# KiCad board TRX055.01.01.PB.00.00.kicad_pcb (continued)
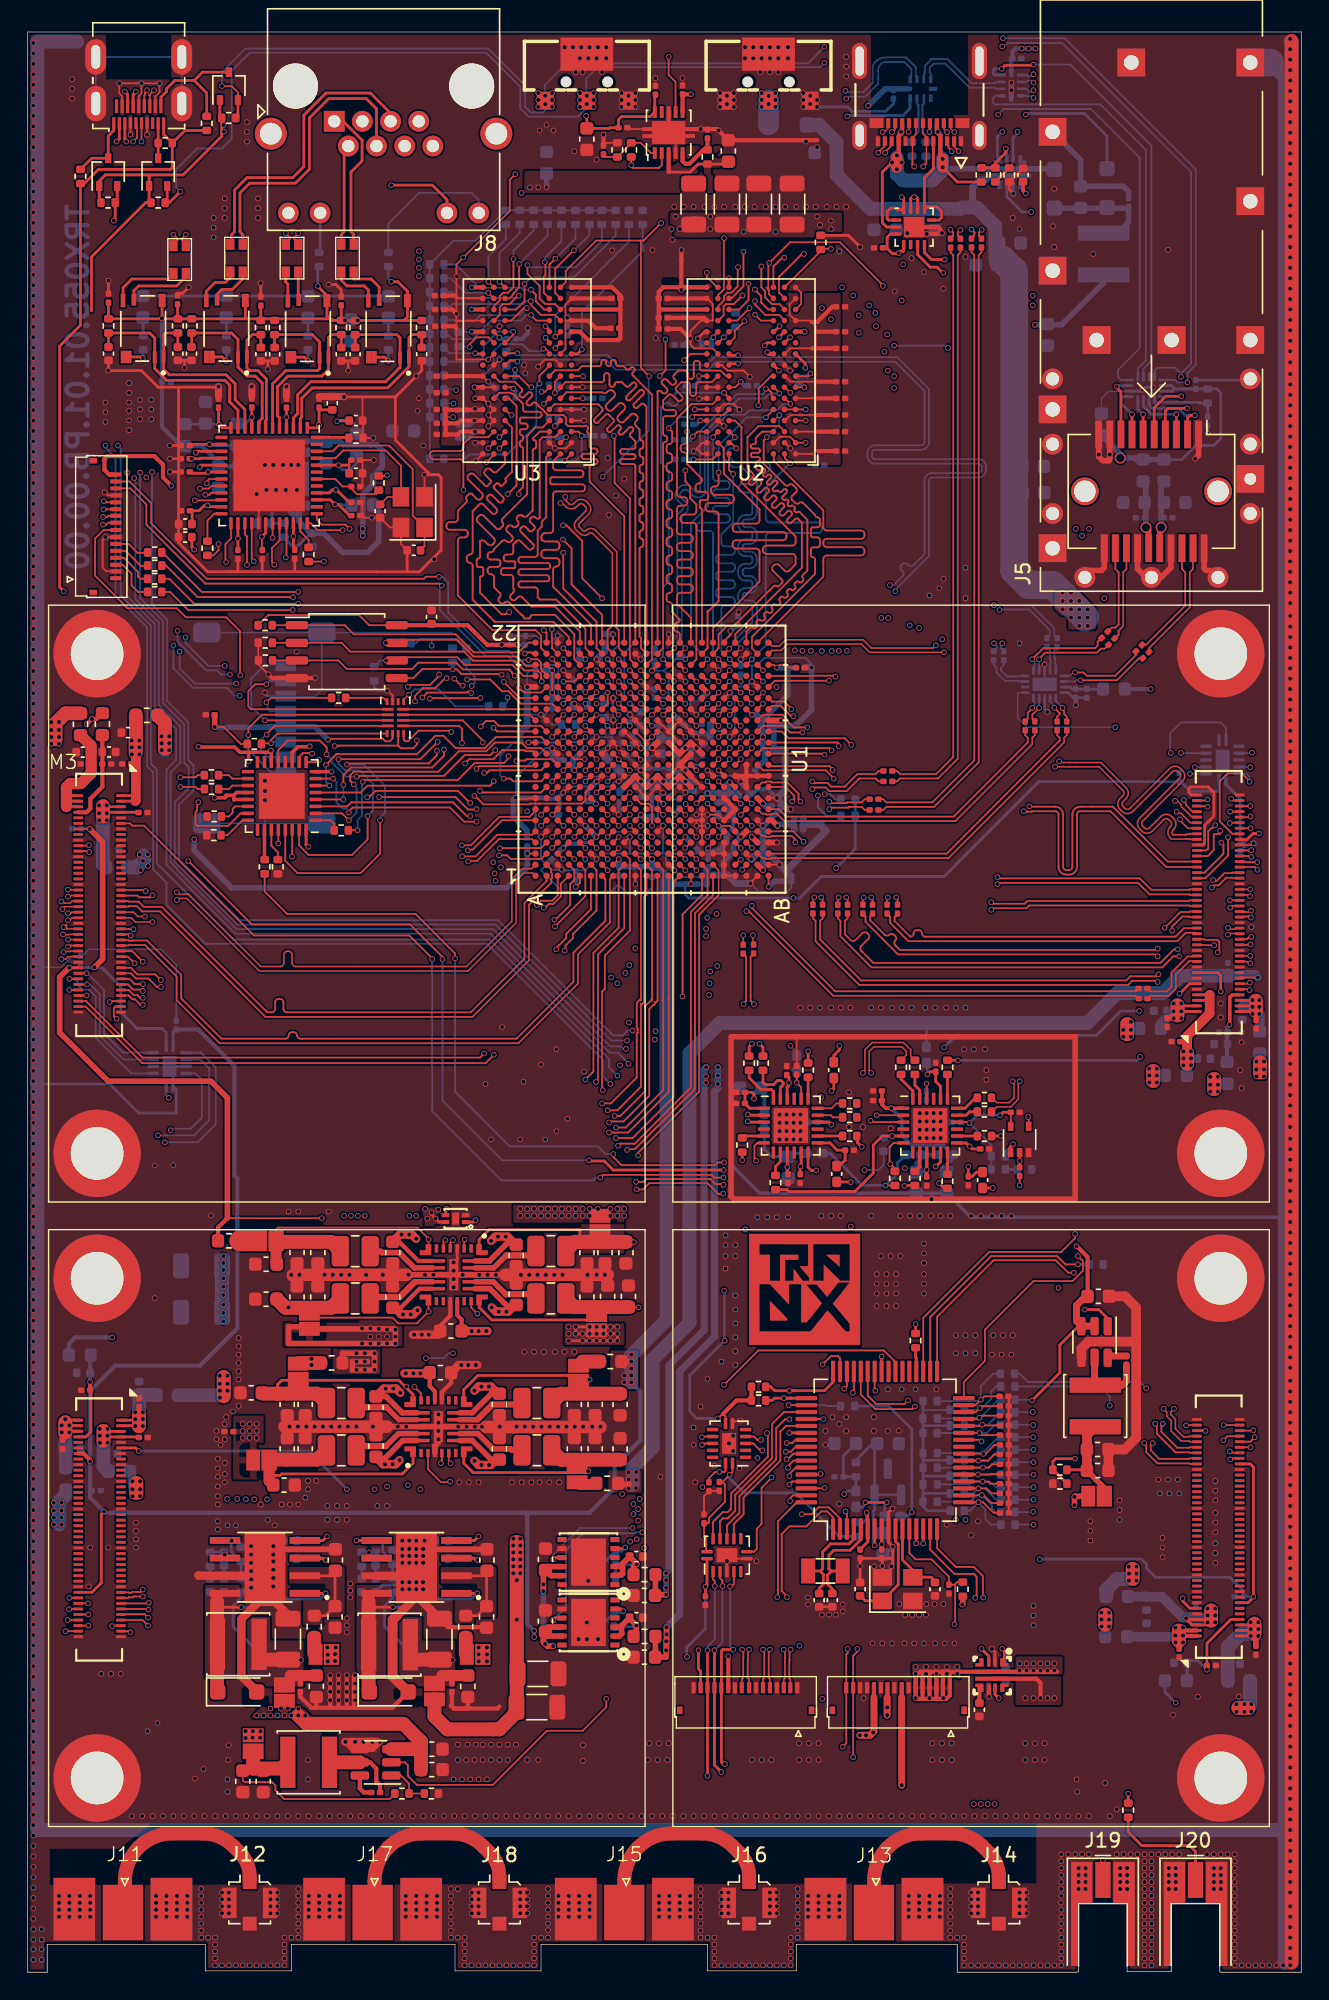
[diagram p0: board, top side]
## Routing (per net, layer and track width the routed paths; a pad name or vN(x,y) marks a point on that pad's centre or on a via; arc(x,y) is an arc through that point) (continued)
/A2_HS_18_N: length 73.4
  Top w0.106: M2.73 83.75,38.62 83.71,38.58 83.3,38.58 82.73,39.15 82.73,39.86 82.4,40.19 82.4,40.38 v1(82.62,40.6)
  Top w0.127: U1.R7 v1(47.42,84.17)
  In2.Cu w0.106: 49.65,76.19 49.65,76.05 52.14,73.55 70.43,73.55 82.11,61.88 82.11,43.11 82.4,42.81 82.4,40.82 v1(82.62,40.6)
  In4.Cu w0.106: v1(47.42,84.17) 47.5,84.17 47.85,83.82 48.31,83.82 48.6,83.53 48.6,83.25 48.85,83 49.25,83 49.35,82.9 49.35,81.3 49.65,81 v1(49.65,76.25)
/A2_HS_18_P: length 73
  Top w0.106: v1(81.88,40.6) 82.1,40.38 82.1,40.06 82.42,39.74 82.42,39 83.15,38.27 83.71,38.27 83.75,38.22 M2.71
  Top w0.127: U1.P7 47.38,83.42
  In2.Cu w0.106: v1(48.97,75.97) 49.28,75.97 49.49,75.76 49.5,75.76 52.02,73.25 70.3,73.25 81.8,61.75 81.8,42.98 82.1,42.69 82.1,40.82 v1(81.88,40.6)
  In4.Cu w0.106: v1(47.4,83.4) 47.65,83.4 48.05,83 48.35,83 48.55,82.8 48.55,80.95 48.97,80.53 v1(48.97,75.97)
/A2_LS_GPIO_0: length 85.9
  Top w0.127: v1(88.45,38.55) 88.12,38.22 M2.72 ; U1.J7 v1(43.4,84.2)
  In2.Cu w0.127: v1(88.45,38.55) 88.2,38.3 86.85,38.3 84.68,36.12 80.12,36.12 76.83,39.42 76.82,61.33 67.91,70.25 49.79,70.25 49.64,70.4 49.12,70.4 v1(49.11,70.41)
  In4.Cu w0.127: v1(49.11,70.41) 48.3,71.22 48.3,72.9 45.42,75.78 45.42,82.22 45.42,82.22 45.42,82.69 45.15,82.96 44.12,82.96 43.83,83.26 43.83,83.78 v1(43.4,84.2)
/A2_LS_GPIO_1: length 80.1
  Top w0.127: M2.74 86.47,38.62 v1(86.18,38.32) ; U1.N6 v1(46.6,82.6)
  In2.Cu w0.127: v1(49.15,71.25) 49.9,70.5 68.01,70.5 77.08,61.43 77.08,39.53 80.06,36.55 84.53,36.55 86.28,38.3
  In4.Cu w0.127: v1(46.6,82.6) 45.66,81.66 45.66,78.01 45.65,78 45.65,76.05 48.75,72.95 48.75,71.65 v1(49.15,71.25)
/A2_LS_GPIO_2: length 80.6
  Top w0.127: v1(88.35,39.05) 88.32,39.03 M2.76 ; U1.N5 46.62,81.78
  In2.Cu w0.127: 88.32,39.05 86.9,39.05 86.7,38.85 86.1,38.85 84.53,37.28 84.53,37.03 79.97,37.03 77.34,39.66 77.34,61.54 68.12,70.75 50.27,70.75 49.2,71.83 v1(49.2,72.1)
  In4.Cu w0.127: v1(49.2,72.1) 49.2,73 45.97,76.22 45.97,81.38 46.4,81.8 v1(46.6,81.8)
/A2_LS_GPIO_3: length 78.9
  Top w0.127: U1.P6 47.38,82.62 ; M2.78 v1(86.2,39.43)
  In2.Cu w0.127: 86.22,39.4 86.05,39.4 84.12,37.47 79.93,37.47 77.59,39.81 77.59,61.64 68.22,71.01 50.45,71.01 50.45,71.15 49.7,71.9 v1(49.7,72.5)
  In4.Cu w0.127: v1(47.4,82.6) 46.96,82.16 46.96,81.65 46.72,81.4 46.48,81.4 46.2,81.12 46.2,76.6 49.7,73.1 v1(49.7,72.5)
/A3_HS1_CLK_N: length 54.8
  Top w0.127: v1(4.43,80.71) 4.36,80.78 M3.22 ; v1(38.62,82.6) 38.52,82.7 38.5,82.7 U1.C6
  In2.Cu w0.106: v1(4.43,80.71) 4.62,80.9 5.92,80.9 arc(5.99,80.87) 6.02,80.8 arc(6.14,80.51) 6.43,80.4 6.92,80.4 arc(7.21,80.51) 7.33,80.8 7.33,84.66 arc(7.4,84.83) 7.57,84.91 7.77,84.91 arc(7.95,84.83) 8.02,84.66 8.02,81.46 arc(8.18,81.06) 8.57,80.9 8.77,80.9 arc(9.17,81.06) 9.33,81.46 9.33,84.11 arc(9.4,84.28) 9.57,84.36 9.77,84.36 arc(9.95,84.28) 10.02,84.11 10.02,81.46 arc(10.18,81.06) 10.57,80.9 14.85,80.9 18.53,77.22 32.25,77.22 33.67,78.63 v1(33.73,78.63)
  In4.Cu w0.106: v1(33.73,78.63) 34.5,78.63 35.45,79.59 35.45,80.68 35.85,81.08 37.38,81.08 37.65,81.35 37.65,81.35 37.95,81.35 38.19,81.6 38.19,82.17 v1(38.62,82.6)
/A3_HS1_CLK_P: length 61.8
  Top w0.127: M3.20 4.38,81.17 v1(4.42,81.21) ; U1.C5 v1(37.8,81.8)
  In2.Cu w0.106: 33.65,79.06 32.12,77.53 18.66,77.53 17.44,78.75 arc(17.37,78.92) 17.44,79.09 17.59,79.24 arc(17.66,79.41) 17.59,79.58 17.51,79.66 arc(17.34,79.74) 17.17,79.66 17.01,79.51 arc(16.84,79.44) 16.68,79.51 16.59,79.6 arc(16.52,79.77) 16.59,79.94 16.74,80.09 arc(16.81,80.26) 16.74,80.43 16.66,80.51 arc(16.49,80.58) 16.32,80.51 16.17,80.36 arc(16,80.29) 15.83,80.36 15.74,80.45 arc(15.67,80.62) 15.74,80.79 16,81.04 arc(16.07,81.21) 16,81.38 15.92,81.47 arc(15.75,81.54) 15.58,81.47 15.32,81.21 arc(15.15,81.14) 14.98,81.21 13.68,81.21 arc(13.51,81.28) 13.44,81.45 13.44,84.01 arc(13.37,84.18) 13.2,84.25 13.08,84.25 arc(12.91,84.18) 12.84,84.01 12.84,81.45 arc(12.77,81.28) 12.6,81.21 10.57,81.21 arc(10.4,81.28) 10.33,81.46 10.33,84.11 arc(10.17,84.5) 9.77,84.66 9.57,84.66 arc(9.18,84.5) 9.02,84.11 9.02,81.46 arc(8.95,81.28) 8.77,81.21 8.57,81.21 arc(8.4,81.28) 8.33,81.46 8.33,84.66 arc(8.17,85.05) 7.77,85.21 7.57,85.21 arc(7.18,85.05) 7.02,84.66 7.02,80.8 arc(6.99,80.73) 6.92,80.71 6.43,80.71 arc(6.36,80.73) 6.33,80.8 arc(6.21,81.09) 5.92,81.21 v1(4.42,81.21)
  In4.Cu w0.106: v1(37.8,81.8) 37.55,81.8 37.13,81.38 35.73,81.38 35.15,80.8 35.15,79.71 34.45,79.02 33.8,79.02
  vias: v1(33.65,79.17)
/A3_HS_4_N: length 54.9
  Top w0.106: v1(2.9,78) 3.15,78 3.17,77.97 M3.36
  Top w0.124: U1.D5 v1(38.6,81.8)
  In2.Cu w0.106: v1(38.6,81.8) 38.25,81.45 37.74,81.45 37.12,80.82 37.12,80.66 36.46,80 35.81,80 32.56,76.75 18.18,76.75 15.53,79.41 12.68,79.41 11.67,79.41 11.47,79.41 arc(11.3,79.48) 11.23,79.65 11.23,79.91 arc(11.06,80.3) 10.67,80.46 10.47,80.46 arc(10.08,80.3) 9.92,79.91 9.92,79.65 arc(9.84,79.48) 9.67,79.41 9.46,79.41 8.88,79.41 8.53,79.06 7.26,79.06 arc(7.09,79.13) 7.02,79.3 7.02,79.61 arc(6.86,80) 6.46,80.16 6.26,80.16 arc(5.87,80) 5.71,79.61 5.71,79.3 arc(5.64,79.13) 5.46,79.06 4.05,80.46 4.05,82.01 3.21,82.85 2.39,82.85 1.88,82.35 1.88,79.3 2.34,78.85 4.24,78.85 4.35,78.74 4.35,78.41 3.84,77.9 3,77.9 v1(2.9,78)
/A3_HS_4_P: length 54.9
  Top w0.106: v1(2.9,77.5) 3.05,77.5 3.12,77.58 M3.38
  Top w0.124: U1.C4 v1(37.8,81)
  In2.Cu w0.106: v1(37.8,81) 37.33,80.53 37.33,80.44 36.59,79.7 35.94,79.7 32.69,76.45 21.45,76.45 arc(21.38,76.42) 21.35,76.35 arc(21.33,76.27) 21.25,76.25 20.85,76.25 arc(20.78,76.27) 20.75,76.35 arc(20.73,76.42) 20.65,76.45 18.05,76.45 17.69,76.81 arc(17.6,76.85) 17.52,76.81 arc(17.44,76.78) 17.35,76.81 17.1,77.07 arc(17.06,77.15) 17.1,77.24 arc(17.13,77.32) 17.1,77.4 16.84,77.66 arc(16.76,77.69) 16.67,77.66 arc(16.59,77.63) 16.51,77.66 16.25,77.92 arc(16.21,78) 16.25,78.08 arc(16.28,78.17) 16.25,78.25 15.99,78.51 arc(15.91,78.54) 15.82,78.51 arc(15.74,78.47) 15.66,78.51 15.4,78.77 arc(15.37,78.85) 15.4,78.93 arc(15.43,79.02) 15.4,79.1 12.68,79.1 11.67,79.1 11.47,79.1 arc(11.08,79.26) 10.92,79.65 10.92,79.91 arc(10.84,80.08) 10.67,80.15 10.47,80.15 arc(10.3,80.08) 10.23,79.91 10.23,79.65 arc(10.06,79.26) 9.67,79.1 9.46,79.1 9.01,79.1 8.65,78.75 7.26,78.75 arc(6.87,78.91) 6.71,79.3 6.71,79.61 arc(6.64,79.78) 6.46,79.85 6.26,79.85 arc(6.09,79.78) 6.02,79.61 6.02,79.3 arc(5.86,78.91) 5.46,78.75 5.33,78.75 3.75,80.34 3.75,81.89 3.09,82.55 2.51,82.55 2.19,82.22 2.19,79.43 2.46,79.15 4.36,79.15 4.65,78.86 4.65,78.29 3.96,77.6 3,77.6 v1(2.9,77.5)
/A3_HS_5_N: length 60.6
  Top w0.127: M3.35 8.42,77.97 v1(8.5,77.9) ; U1.E5 v1(39.4,81.8)
  In2.Cu w0.106: 38.16,81.06 38.16,80.76 36.41,79.01 35.74,79.01 32.86,76.13 32.86,76.12 29.65,76.12 arc(29.26,75.96) 29.09,75.57 29.09,74.47 arc(29.02,74.29) 28.85,74.22 28.65,74.22 arc(28.47,74.29) 28.4,74.47 28.4,75.57 arc(28.24,75.96) 27.85,76.12 27.65,76.12 arc(27.26,75.96) 27.09,75.57 27.09,74.47 arc(27.02,74.29) 26.85,74.22 26.65,74.22 arc(26.47,74.29) 26.4,74.47 26.4,75.57 arc(26.24,75.96) 25.85,76.12 25.65,76.12 arc(25.26,75.96) 25.09,75.57 25.09,74.47 arc(25.02,74.29) 24.85,74.22 24.65,74.22 arc(24.47,74.29) 24.4,74.47 24.4,75.57 arc(24.24,75.96) 23.85,76.12 23.65,76.12 arc(23.26,75.96) 23.09,75.57 23.09,74.47 arc(23.02,74.29) 22.85,74.22 22.65,74.22 arc(22.47,74.29) 22.4,74.47 22.4,75.57 arc(22.24,75.96) 21.85,76.12 21.65,76.12 arc(21.26,75.96) 21.09,75.57 21.09,74.47 arc(21.02,74.29) 20.85,74.22 20.65,74.22 arc(20.47,74.29) 20.4,74.47 20.4,75.57 arc(20.24,75.96) 19.85,76.12 19.65,76.12 arc(19.26,75.96) 19.09,75.57 19.09,74.47 arc(19.02,74.29) 18.85,74.22 18.65,74.22 arc(18.47,74.29) 18.4,74.47 18.4,75.57 arc(18.24,75.96) 17.85,76.12 17.67,76.12 15.09,78.71 9.59,78.71 9.38,78.5 6.55,78.5 6.35,78.3 6.35,77.95 6.4,77.9 v1(8.5,77.9) ; 38.16,81.06 38.45,81.35 39.25,81.35 39.4,81.5 v1(39.4,81.8) ; 38.16,81.06 38.15,81.06
/A3_HS_5_P: length 58.9
  Top w0.127: U1.F5 v1(40.2,81.8) ; v1(9,77.6) 8.85,77.45 8.03,77.45 7.9,77.58 M3.37
  In2.Cu w0.106: 40.18,81.8 v1(40.2,81.8) 40.2,81.7 39.15,80.65 38.49,80.65 36.54,78.7 35.87,78.7 32.99,75.82 29.65,75.82 arc(29.47,75.74) 29.4,75.57 29.4,74.47 arc(29.24,74.07) 28.85,73.91 28.65,73.91 arc(28.26,74.07) 28.09,74.47 28.09,75.57 arc(28.02,75.74) 27.85,75.82 27.65,75.82 arc(27.47,75.74) 27.4,75.57 27.4,74.47 arc(27.24,74.07) 26.85,73.91 26.65,73.91 arc(26.26,74.07) 26.09,74.47 26.09,75.57 arc(26.02,75.74) 25.85,75.82 25.65,75.82 arc(25.47,75.74) 25.4,75.57 25.4,74.47 arc(25.24,74.07) 24.85,73.91 24.65,73.91 arc(24.26,74.07) 24.09,74.47 24.09,75.57 arc(24.02,75.74) 23.85,75.82 23.65,75.82 arc(23.47,75.74) 23.4,75.57 23.4,74.47 arc(23.24,74.07) 22.85,73.91 22.65,73.91 arc(22.26,74.07) 22.09,74.47 22.09,75.57 arc(22.02,75.74) 21.85,75.82 21.65,75.82 arc(21.47,75.74) 21.4,75.57 21.4,74.47 arc(21.24,74.07) 20.85,73.91 20.65,73.91 arc(20.26,74.07) 20.09,74.47 20.09,75.57 arc(20.02,75.74) 19.85,75.82 19.65,75.82 arc(19.47,75.74) 19.4,75.57 19.4,74.47 arc(19.24,74.07) 18.85,73.91 18.65,73.91 arc(18.26,74.07) 18.09,74.47 18.09,75.57 arc(18.02,75.74) 17.85,75.82 17.55,75.82 14.96,78.4 12.23,78.4 arc(12.06,78.33) 11.99,78.16 11.99,77.53 arc(11.92,77.36) 11.75,77.29 11.63,77.29 arc(11.46,77.36) 11.39,77.53 11.39,78.16 arc(11.32,78.33) 11.15,78.4 10.75,78.4 arc(10.68,78.37) 10.65,78.3 arc(10.62,78.23) 10.55,78.2 10.15,78.2 arc(10.08,78.23) 10.05,78.3 arc(10.02,78.37) 9.95,78.4 9.72,78.4 9,77.68 v1(9,77.6)
/A3_HS_6_N: length 44.7
  Top w0.106: U1.A2 36.31,79.51 35.64,79.51 34.9,78.76 34.9,75.73 31.63,72.46 19.3,72.46 arc(19.13,72.53) 19.06,72.7 19.06,73.32 arc(18.99,73.49) 18.82,73.56 18.7,73.56 arc(18.53,73.49) 18.46,73.32 18.46,72.7 arc(18.39,72.53) 18.22,72.46 16.81,72.46 11.59,77.68 10.87,77.68 v1(10.75,77.8) ; 2.58,77.1 2.65,77.03 3.05,77.03 3.2,77.17 M3.40
  In2.Cu w0.106: v1(10.75,77.8) 10.63,77.68 9.66,77.68 9.23,77.25 8.6,77.25 8.39,77.45 4.44,77.45 3.99,77 2.57,77 v1(2.42,77.15)
/A3_HS_6_P: length 42.9
  Top w0.106: v1(10.75,77.25) 10.87,77.37 11.46,77.37 16.69,72.14 31.74,72.14 35.2,75.6 35.2,78.64 35.77,79.2 36.4,79.2 U1.A1 ; M3.42 2.67,76.78 v1(2.5,76.6)
  In2.Cu w0.106: v1(10.75,77.25) 10.63,77.37 9.79,77.37 9.36,76.94 8.46,76.94 8.25,77.15 4.56,77.15 4.11,76.7 2.6,76.7 v1(2.5,76.6)
/A3_HS_7_N: length 42.2
  Top w0.124: U1.B1 37.4,78.63 35.8,77.03 35.8,73.03 31.93,69.16 18.67,69.16 arc(18.5,69.23) 18.43,69.4 18.43,69.9 arc(18.36,70.06) 18.19,70.14 18.07,70.14 arc(17.9,70.06) 17.83,69.9 17.83,69.4 arc(17.76,69.23) 17.59,69.16 17.27,69.16 9.67,76.76 8.37,76.76 7.99,77.14 7.28,77.14 7.25,77.17 M3.39
/A3_HS_7_P: length 42.2
  Top w0.124: U1.B2 37.73,79.47 37.73,79.23 37.79,79.16 37.79,78.84 37.73,78.77 37.73,78.5 36.13,76.9 36.13,72.9 32.07,68.84 17.13,68.84 9.53,76.44 8.23,76.44 7.86,76.81 7.28,76.81 7.25,76.78 M3.41
/A3_HS_8_N: length 54.8
  Top w0.106: v1(2.9,76.3) 3.1,76.3 3.17,76.38 M3.44
  Top w0.127: v1(36.7,76.9) 37,77.2 37.8,77.2 38.2,77.6 U1.C1
  In2.Cu w0.106: v1(2.9,76.3) 3,76.2 4.14,76.2 4.8,76.86 8.24,76.86 8.38,76.73 12.84,76.73 arc(13.02,76.8) 13.09,76.98 13.09,77.63 arc(13.25,78.02) 13.64,78.18 13.84,78.18 arc(14.24,78.02) 14.4,77.63 14.4,76.98 arc(14.47,76.8) 14.64,76.73 15.07,76.73 15.94,75.86 arc(16.11,75.79) 16.28,75.86 arc(16.44,75.92) 16.61,75.86 16.7,75.76 arc(16.77,75.6) 16.7,75.43 arc(16.63,75.26) 16.7,75.1 18.1,73.7 29.91,73.7 arc(30.08,73.77) 30.15,73.95 30.15,75.05 arc(30.32,75.44) 30.71,75.6 30.91,75.6 arc(31.3,75.44) 31.46,75.05 31.46,72.69 arc(31.54,72.52) 31.71,72.45 31.91,72.45 arc(32.08,72.52) 32.15,72.69 32.15,73.15 arc(32.32,73.54) 32.71,73.7 33.76,73.7 arc(33.83,73.87) 33.76,74.05 33.05,74.76 arc(32.89,75.15) 33.05,75.54 33.19,75.68 arc(33.59,75.85) 33.98,75.68 34.69,74.97 arc(34.86,74.9) 35.03,74.97 35.18,75.11 arc(35.25,75.29) 35.18,75.46 34.47,76.17 arc(34.3,76.56) 34.47,76.96 34.61,77.1 arc(35,77.26) 35.39,77.1 36.1,76.39 arc(36.28,76.32) 36.45,76.39 36.7,76.64 v1(36.7,76.9)
/A3_HS_8_P: length 54.8
  Top w0.106: v1(2.9,75.8) 3.02,75.8 3.2,75.97 M3.46
  Top w0.127: v1(37.2,76.7) 37.3,76.7 37.57,76.97 37.89,76.97 38.43,77.51 38.43,78.43 U1.D1
  In2.Cu w0.106: v1(37.2,76.7) 36.67,76.17 arc(36.28,76.01) 35.88,76.17 35.17,76.88 arc(35,76.95) 34.83,76.88 34.68,76.74 arc(34.61,76.56) 34.68,76.39 35.4,75.68 arc(35.56,75.29) 35.4,74.9 35.25,74.75 arc(34.86,74.59) 34.47,74.75 33.76,75.46 arc(33.59,75.54) 33.41,75.46 33.27,75.32 arc(33.2,75.15) 33.27,74.98 33.98,74.27 arc(34.14,73.87) 33.98,73.48 33.89,73.39 32.71,73.39 arc(32.54,73.32) 32.46,73.15 32.46,72.69 arc(32.3,72.3) 31.91,72.14 31.71,72.14 arc(31.32,72.3) 31.15,72.69 31.15,75.05 arc(31.08,75.22) 30.91,75.3 30.71,75.3 arc(30.54,75.22) 30.46,75.05 30.46,73.95 arc(30.3,73.55) 29.91,73.39 17.97,73.39 14.94,76.42 14.64,76.42 arc(14.25,76.58) 14.09,76.98 14.09,77.63 arc(14.02,77.8) 13.84,77.88 13.64,77.88 arc(13.47,77.8) 13.4,77.63 13.4,76.98 arc(13.24,76.58) 12.84,76.42 8.25,76.42 8.12,76.55 4.93,76.55 4.27,75.9 3,75.9 v1(2.9,75.8)
/A3_HS_9_N: length 54.5
  Top w0.106: M3.43 7.62,76.38 7.93,76.07 v1(8.45,76.07)
  Top w0.127: U1.C3 v1(38.6,80.2)
  In2.Cu w0.106: v1(8.45,76.07) 8.5,76.02 13.11,76.02 13.49,75.63 arc(13.67,75.56) 13.84,75.63 14.23,76.03 arc(14.62,76.19) 15.02,76.03 15.16,75.88 arc(15.32,75.49) 15.16,75.1 14.76,74.71 arc(14.69,74.53) 14.76,74.36 14.91,74.22 arc(15.08,74.15) 15.25,74.22 15.64,74.61 arc(16.04,74.77) 16.43,74.61 16.57,74.47 arc(16.73,74.08) 16.57,73.69 16.18,73.29 arc(16.11,73.12) 16.18,72.95 17.22,71.91 arc(17.39,71.98) 17.46,72.15 17.46,72.61 arc(17.62,73) 18.02,73.16 18.22,73.16 arc(18.61,73) 18.77,72.61 18.77,72.15 arc(18.84,71.98) 19.02,71.91 19.22,71.91 arc(19.39,71.98) 19.46,72.15 19.46,72.61 arc(19.62,73) 20.02,73.16 20.22,73.16 arc(20.61,73) 20.77,72.61 20.77,72.15 arc(20.84,71.98) 21.02,71.91 21.22,71.91 arc(21.39,71.98) 21.46,72.15 21.46,72.61 arc(21.62,73) 22.02,73.16 22.22,73.16 arc(22.61,73) 22.77,72.61 22.77,72.15 arc(22.84,71.98) 23.02,71.91 23.22,71.91 arc(23.39,71.98) 23.46,72.15 23.46,72.61 arc(23.62,73) 24.02,73.16 24.22,73.16 arc(24.61,73) 24.77,72.61 24.77,72.15 arc(24.84,71.98) 25.02,71.91 25.22,71.91 arc(25.39,71.98) 25.46,72.15 25.46,72.61 arc(25.62,73) 26.02,73.16 26.22,73.16 arc(26.61,73) 26.77,72.61 26.77,72.15 arc(26.84,71.98) 27.02,71.91 27.22,71.91 arc(27.39,71.98) 27.46,72.15 27.46,72.61 arc(27.62,73) 28.02,73.16 28.22,73.16 arc(28.61,73) 28.77,72.61 28.77,72.15 arc(28.84,71.98) 29.02,71.91 32.99,71.91 38.85,77.76 38.85,79.95 v1(38.6,80.2)
/A3_HS_9_P: length 55
  Top w0.106: M3.45 7.45,75.97 7.76,75.67 v1(9,75.67)
  Top w0.127: U1.D3 v1(39.4,80.2)
  In2.Cu w0.106: v1(9,75.67) 9,75.71 9,75.71 12.98,75.71 13.27,75.41 arc(13.67,75.25) 14.06,75.41 14.45,75.81 arc(14.62,75.88) 14.8,75.81 14.94,75.67 arc(15.01,75.49) 14.94,75.32 14.55,74.93 arc(14.38,74.53) 14.55,74.14 14.69,74 arc(15.08,73.84) 15.47,74 15.86,74.39 arc(16.04,74.46) 16.21,74.39 16.35,74.25 arc(16.42,74.08) 16.35,73.9 15.96,73.51 arc(15.8,73.12) 15.96,72.73 17.09,71.6 17.22,71.6 arc(17.61,71.76) 17.77,72.15 17.77,72.61 arc(17.84,72.78) 18.02,72.85 18.22,72.85 arc(18.39,72.78) 18.46,72.61 18.46,72.15 arc(18.62,71.76) 19.02,71.6 19.22,71.6 arc(19.61,71.76) 19.77,72.15 19.77,72.61 arc(19.84,72.78) 20.02,72.85 20.22,72.85 arc(20.39,72.78) 20.46,72.61 20.46,72.15 arc(20.62,71.76) 21.02,71.6 21.22,71.6 arc(21.61,71.76) 21.77,72.15 21.77,72.61 arc(21.84,72.78) 22.02,72.85 22.22,72.85 arc(22.39,72.78) 22.46,72.61 22.46,72.15 arc(22.62,71.76) 23.02,71.6 23.22,71.6 arc(23.61,71.76) 23.77,72.15 23.77,72.61 arc(23.84,72.78) 24.02,72.85 24.22,72.85 arc(24.39,72.78) 24.46,72.61 24.46,72.15 arc(24.62,71.76) 25.02,71.6 25.22,71.6 arc(25.61,71.76) 25.77,72.15 25.77,72.61 arc(25.84,72.78) 26.02,72.85 26.22,72.85 arc(26.39,72.78) 26.46,72.61 26.46,72.15 arc(26.62,71.76) 27.02,71.6 27.22,71.6 arc(27.61,71.76) 27.77,72.15 27.77,72.61 arc(27.84,72.78) 28.02,72.85 28.22,72.85 arc(28.39,72.78) 28.46,72.61 28.46,72.15 arc(28.62,71.76) 29.02,71.6 33.12,71.6 39.15,77.64 39.15,78.04 39.15,78.05 39.15,78.35 39.15,78.36 39.15,79.95 v1(39.4,80.2)
/A3_HS_10_N: length 54.9
  Top w0.106: M3.50 2.83,75.17 2.8,75.2 2.8,75.42 2.78,75.45 2.75,75.45 2.61,75.3 v1(2.58,75.3)
  Top w0.127: U1.D2 39.4,79.4 39.4,78.7 39.1,78.4 39.1,76.9 38.04,75.84 v1(37.96,75.84)
  In2.Cu w0.106: v1(2.58,75.3) 2.61,75.3 2.75,75.45 2.78,75.45 3.02,75.2 3.59,75.2 4.04,75.65 4.72,75.65 5.32,76.26 7.56,76.26 8.36,75.45 8.71,75.45 8.85,75.31 9.15,75.31 9.29,75.45 12.66,75.45 17.37,70.75 17.99,70.75 arc(18.09,70.79) 18.14,70.9 arc(18.27,71.22) 18.59,71.35 18.99,71.35 arc(19.31,71.22) 19.45,70.9 arc(19.49,70.79) 19.59,70.75 19.99,70.75 arc(20.09,70.79) 20.14,70.9 arc(20.27,71.22) 20.59,71.35 20.99,71.35 arc(21.31,71.22) 21.45,70.9 arc(21.49,70.79) 21.59,70.75 21.99,70.75 arc(22.09,70.79) 22.14,70.9 arc(22.27,71.22) 22.59,71.35 22.99,71.35 arc(23.31,71.22) 23.45,70.9 arc(23.49,70.79) 23.59,70.75 23.99,70.75 arc(24.09,70.79) 24.14,70.9 arc(24.27,71.22) 24.59,71.35 24.99,71.35 arc(25.31,71.22) 25.45,70.9 arc(25.49,70.79) 25.59,70.75 25.99,70.75 arc(26.09,70.79) 26.14,70.9 arc(26.27,71.22) 26.59,71.35 26.99,71.35 arc(27.31,71.22) 27.45,70.9 27.45,70.09 arc(27.52,69.92) 27.69,69.85 27.89,69.85 arc(28.06,69.92) 28.14,70.09 28.14,70.9 arc(28.27,71.22) 28.59,71.35 28.99,71.35 arc(29.31,71.22) 29.45,70.9 29.45,70.09 arc(29.52,69.92) 29.69,69.85 29.89,69.85 arc(30.06,69.92) 30.14,70.09 30.14,70.9 arc(30.27,71.22) 30.59,71.35 30.99,71.35 arc(31.31,71.22) 31.45,70.9 arc(31.49,70.79) 31.59,70.75 32.86,70.75 v1(37.96,75.84)
/A3_HS_10_P: length 55.3
  Top w0.106: M3.52 2.92,74.78 2.9,74.75 2.75,74.75 2.73,74.78 v1(2.55,74.78)
  Top w0.127: U1.E2 40.19,79.41 40.19,77.53 v1(38.01,75.35)
  In2.Cu w0.106: v1(38.01,75.35) 37.9,75.35 32.99,70.44 31.59,70.44 arc(31.27,70.57) 31.14,70.9 arc(31.09,71) 30.99,71.05 30.59,71.05 arc(30.49,71) 30.45,70.9 30.45,70.09 arc(30.28,69.7) 29.89,69.54 29.69,69.54 arc(29.3,69.7) 29.14,70.09 29.14,70.9 arc(29.09,71) 28.99,71.05 28.59,71.05 arc(28.49,71) 28.45,70.9 28.45,70.09 arc(28.28,69.7) 27.89,69.54 27.69,69.54 arc(27.3,69.7) 27.14,70.09 27.14,70.9 arc(27.09,71) 26.99,71.05 26.59,71.05 arc(26.49,71) 26.45,70.9 arc(26.31,70.57) 25.99,70.44 25.59,70.44 arc(25.27,70.57) 25.14,70.9 arc(25.09,71) 24.99,71.05 24.59,71.05 arc(24.49,71) 24.45,70.9 arc(24.31,70.57) 23.99,70.44 23.59,70.44 arc(23.27,70.57) 23.14,70.9 arc(23.09,71) 22.99,71.05 22.59,71.05 arc(22.49,71) 22.45,70.9 arc(22.31,70.57) 21.99,70.44 21.59,70.44 arc(21.27,70.57) 21.14,70.9 arc(21.09,71) 20.99,71.05 20.59,71.05 arc(20.49,71) 20.45,70.9 arc(20.31,70.57) 19.99,70.44 19.59,70.44 arc(19.27,70.57) 19.14,70.9 arc(19.09,71) 18.99,71.05 18.59,71.05 arc(18.49,71) 18.45,70.9 arc(18.31,70.57) 17.99,70.44 17.24,70.44 12.54,75.15 9.42,75.15 9.27,75 8.73,75 8.58,75.15 8.24,75.15 7.43,75.95 5.45,75.95 4.85,75.35 4.16,75.35 3.71,74.9 2.97,74.9 2.83,74.75 2.75,74.75 2.73,74.78 v1(2.55,74.78)
/A3_HS_11_N: length 57.8
  Top w0.106: M3.49 7.28,75.17 7.3,75.15 v1(7.62,75.15)
  Top w0.127: U1.E4 v1(40.2,81)
  In2.Cu w0.106: v1(7.62,75.15) 7.77,75 7.9,75 8.15,74.75 11.35,74.75 11.44,74.66 arc(11.61,74.59) 11.78,74.66 11.86,74.74 arc(12.25,74.9) 12.64,74.74 12.78,74.6 arc(12.95,74.2) 12.78,73.81 12.71,73.74 arc(12.64,73.56) 12.71,73.39 12.85,73.25 arc(13.02,73.18) 13.2,73.25 13.27,73.32 arc(13.66,73.49) 14.06,73.32 14.2,73.18 arc(14.36,72.79) 14.2,72.4 14.12,72.32 arc(14.05,72.15) 14.12,71.98 14.26,71.84 arc(14.44,71.76) 14.61,71.84 14.69,71.91 arc(15.08,72.07) 15.47,71.91 15.61,71.77 arc(15.77,71.38) 15.61,70.98 15.54,70.91 arc(15.47,70.74) 15.54,70.56 16.8,69.3 arc(16.97,69.37) 17.05,69.55 17.05,69.65 arc(17.21,70.04) 17.6,70.2 17.8,70.2 arc(18.19,70.04) 18.35,69.65 18.35,69.55 arc(18.43,69.37) 18.6,69.3 18.8,69.3 arc(18.97,69.37) 19.05,69.55 19.05,69.65 arc(19.21,70.04) 19.6,70.2 19.8,70.2 arc(20.19,70.04) 20.35,69.65 20.35,69.55 arc(20.43,69.37) 20.6,69.3 20.8,69.3 arc(20.97,69.37) 21.05,69.55 21.05,69.65 arc(21.21,70.04) 21.6,70.2 21.8,70.2 arc(22.19,70.04) 22.35,69.65 22.35,69.55 arc(22.43,69.37) 22.6,69.3 22.8,69.3 arc(22.97,69.37) 23.05,69.55 23.05,69.65 arc(23.21,70.04) 23.6,70.2 23.8,70.2 arc(24.19,70.04) 24.35,69.65 24.35,68.92 arc(24.38,68.87) 24.43,68.85 24.97,68.85 arc(25.02,68.87) 25.05,68.92 25.05,69.65 arc(25.21,70.04) 25.6,70.2 25.8,70.2 arc(26.19,70.04) 26.35,69.65 26.35,69.55 arc(26.43,69.37) 26.6,69.3 32.58,69.3 37.94,74.66 arc(38.33,74.82) 38.73,74.66 39.61,73.77 arc(39.79,73.7) 39.96,73.77 40.1,73.91 arc(40.17,74.09) 40.1,74.26 39.21,75.15 arc(39.05,75.54) 39.21,75.93 39.89,76.61 arc(40.01,76.9) 40.3,77.02 arc(40.37,77.05) 40.4,77.11 40.4,77.61 arc(40.37,77.68) 40.3,77.71 arc(40.01,77.83) 39.89,78.11 39.89,80.01 39.85,80.05 39.85,80.35 39.89,80.39 39.89,80.69 v1(40.2,81)
/A3_HS_11_P: length 59.4
  Top w0.106: M3.51 7.22,74.78 7.25,74.8 7.36,74.69 v1(7.43,74.69)
  Top w0.127: U1.E3 v1(40.2,80.2)
  In2.Cu w0.106: v1(40.2,80.2) 40.2,78.11 arc(40.23,78.05) 40.3,78.02 arc(40.59,77.9) 40.7,77.61 40.7,77.11 arc(40.59,76.83) 40.3,76.71 arc(40.23,76.68) 40.2,76.61 40.2,76.48 39.43,75.71 arc(39.36,75.54) 39.43,75.37 40.32,74.48 arc(40.48,74.09) 40.32,73.69 40.18,73.55 arc(39.79,73.39) 39.39,73.55 38.51,74.44 arc(38.33,74.51) 38.16,74.44 33.89,70.17 arc(33.83,70.02) 33.89,69.87 arc(33.95,69.73) 33.89,69.58 33.76,69.45 arc(33.61,69.39) 33.47,69.45 arc(33.32,69.51) 33.17,69.45 32.71,68.99 31.99,68.99 arc(31.84,68.93) 31.78,68.78 arc(31.72,68.63) 31.57,68.57 31.39,68.57 arc(31.24,68.63) 31.18,68.78 arc(31.12,68.93) 30.97,68.99 30.79,68.99 arc(30.64,68.93) 30.58,68.78 arc(30.52,68.63) 30.37,68.57 30.19,68.57 arc(30.04,68.63) 29.98,68.78 arc(29.92,68.93) 29.77,68.99 29.59,68.99 arc(29.44,68.93) 29.38,68.78 arc(29.32,68.63) 29.17,68.57 28.99,68.57 arc(28.84,68.63) 28.78,68.78 arc(28.72,68.93) 28.57,68.99 26.6,68.99 arc(26.21,69.15) 26.05,69.55 26.05,69.65 arc(25.97,69.82) 25.8,69.9 25.6,69.9 arc(25.43,69.82) 25.35,69.65 25.35,68.92 arc(25.24,68.65) 24.97,68.54 24.43,68.54 arc(24.16,68.65) 24.05,68.92 24.05,69.65 arc(23.97,69.82) 23.8,69.9 23.6,69.9 arc(23.43,69.82) 23.35,69.65 23.35,69.55 arc(23.19,69.15) 22.8,68.99 22.6,68.99 arc(22.21,69.15) 22.05,69.55 22.05,69.65 arc(21.97,69.82) 21.8,69.9 21.6,69.9 arc(21.43,69.82) 21.35,69.65 21.35,69.55 arc(21.19,69.15) 20.8,68.99 20.6,68.99 arc(20.21,69.15) 20.05,69.55 20.05,69.65 arc(19.97,69.82) 19.8,69.9 19.6,69.9 arc(19.43,69.82) 19.35,69.65 19.35,69.55 arc(19.19,69.15) 18.8,68.99 18.6,68.99 arc(18.21,69.15) 18.05,69.55 18.05,69.65 arc(17.97,69.82) 17.8,69.9 17.6,69.9 arc(17.43,69.82) 17.35,69.65 17.35,69.55 arc(17.19,69.15) 16.8,68.99 16.67,68.99 15.32,70.34 arc(15.16,70.74) 15.32,71.13 15.39,71.2 arc(15.46,71.38) 15.39,71.55 15.25,71.69 arc(15.08,71.76) 14.9,71.69 14.83,71.62 arc(14.44,71.45) 14.05,71.62 13.9,71.76 arc(13.74,72.15) 13.9,72.54 13.98,72.62 arc(14.05,72.79) 13.98,72.96 13.84,73.11 arc(13.66,73.18) 13.49,73.11 13.42,73.03 arc(13.02,72.87) 12.63,73.03 12.49,73.17 arc(12.33,73.56) 12.49,73.96 12.56,74.03 arc(12.64,74.2) 12.56,74.38 12.42,74.52 arc(12.25,74.59) 12.08,74.52 12,74.45 arc(11.61,74.28) 11.22,74.45 8.02,74.45 7.78,74.69 v1(7.43,74.69) 7.51,74.6
/A3_HS_12_N: length 54.7
  Top w0.106: M3.54 3.62,74.4 v1(2.9,74.4)
  Top w0.127: v1(38.1,73.7) 38.1,73.8 38.8,74.5 38.8,74.8 40.6,76.6 U1.F1
  In2.Cu w0.106: v1(38.1,73.7) 38.1,73.44 32.97,68.31 24.51,68.31 arc(24.12,68.15) 23.95,67.75 23.95,67.7 arc(23.88,67.53) 23.71,67.45 23.51,67.45 arc(23.34,67.53) 23.26,67.7 23.26,68.38 arc(23.15,68.65) 22.88,68.76 22.34,68.76 arc(22.07,68.65) 21.95,68.38 21.95,67.7 arc(21.88,67.53) 21.71,67.45 21.51,67.45 arc(21.34,67.53) 21.26,67.7 21.26,68.38 arc(21.15,68.65) 20.88,68.76 20.34,68.76 arc(20.07,68.65) 19.95,68.38 19.95,67.65 arc(19.88,67.48) 19.71,67.4 19.51,67.4 arc(19.34,67.48) 19.26,67.65 19.26,68.38 arc(19.15,68.65) 18.88,68.76 18.34,68.76 arc(18.07,68.65) 17.95,68.38 17.95,67.65 arc(17.88,67.48) 17.71,67.4 17.51,67.4 arc(17.34,67.48) 17.26,67.65 17.26,67.75 arc(17.1,68.15) 16.71,68.31 10.78,74.24 7.93,74.24 7.87,74.3 3,74.3 v1(2.9,74.4)
/A3_HS_12_P: length 57
  Top w0.106: v1(2.9,73.9) 3.02,73.9 3.12,74 3.15,73.97 M3.56
  Top w0.127: U1.F2 41,79.4 41,77.7 ; 41,77.7 41,76.5 39.3,74.8 39.3,74.51 38.76,73.97 38.76,73.66 v1(38.7,73.6) ; 41,77.7 41,77.6
  In2.Cu w0.106: v1(38.7,73.6) 33.1,68 28.98,68 arc(28.81,67.93) 28.74,67.76 28.74,67.68 arc(28.67,67.51) 28.5,67.44 28.38,67.44 arc(28.21,67.51) 28.14,67.68 28.14,67.76 arc(28.07,67.93) 27.9,68 24.51,68 arc(24.34,67.93) 24.26,67.75 24.26,67.7 arc(24.1,67.31) 23.71,67.15 23.51,67.15 arc(23.12,67.31) 22.95,67.7 22.95,68.38 arc(22.93,68.43) 22.88,68.45 22.34,68.45 arc(22.29,68.43) 22.26,68.38 22.26,67.7 arc(22.1,67.31) 21.71,67.15 21.51,67.15 arc(21.12,67.31) 20.95,67.7 20.95,68.38 arc(20.93,68.43) 20.88,68.45 20.34,68.45 arc(20.29,68.43) 20.26,68.38 20.26,67.65 arc(20.1,67.26) 19.71,67.1 19.51,67.1 arc(19.12,67.26) 18.95,67.65 18.95,68.38 arc(18.93,68.43) 18.88,68.45 18.34,68.45 arc(18.29,68.43) 18.26,68.38 18.26,67.65 arc(18.1,67.26) 17.71,67.1 17.51,67.1 arc(17.12,67.26) 16.95,67.65 16.95,67.75 arc(16.88,67.93) 16.71,68 16.58,68 10.71,73.87 7.86,73.87 7.74,74 3,74 v1(2.9,73.9)